# Altium PCB Stratochovy2.PcbDoc (part 2 of 2)
Units mil, origin at the board's own origin, x right, y up, seen from the top; angles counter-clockwise.
Board outline 2610.12 x 7159.65 mil, 4 copper layers (Top Layer, Plane (GND), Plane (3V3), Bottom Layer), stack 53.956 mil thick; 166 components, 126 nets, 742 pads, 170 vias.
Unrouted connection lines stored in the file: 44.
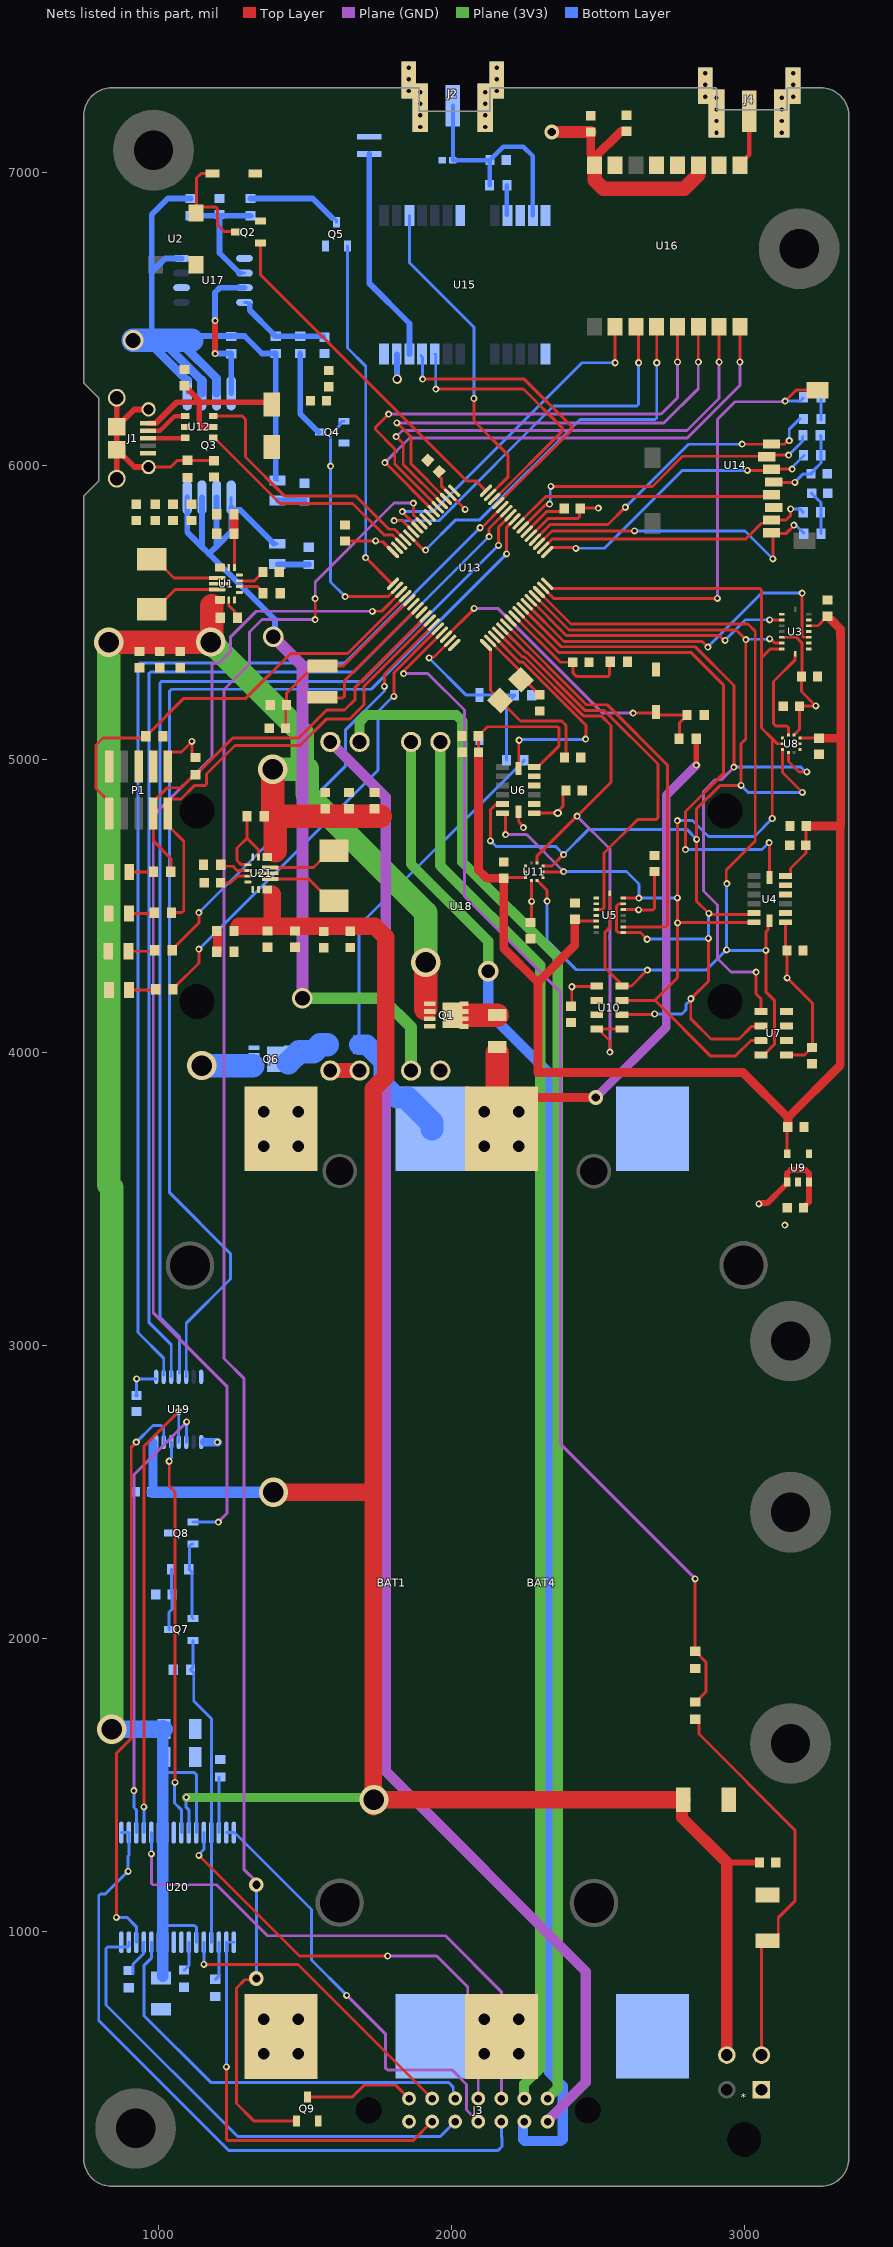
[diagram p4: the nets of this part, all layers, seen from the top]

## Via types
v1: diameter 24, hole 12, Top Layer to Bottom Layer, 124 vias
v2: diameter 27, hole 15, Top Layer to Bottom Layer, 28 vias
v3: diameter 100, hole 70, Top Layer to Bottom Layer, 8 vias
v4: diameter 50, hole 28, Top Layer to Bottom Layer, 4 vias
v5: diameter 70, hole 50, Top Layer to Bottom Layer, 3 vias
v6: diameter 32, hole 20, Top Layer to Bottom Layer, 1 vias
v7: diameter 70, hole 45, Top Layer to Bottom Layer, 1 vias
v8: diameter 28, hole 14, Top Layer to Bottom Layer, 1 vias

## Nets (pads, with @x,y where several pads share a name; then routed paths per layer and width w, separated by ;. In a path a pad name is that pad's centre, name@x,y a point inside that pad or via, vN(x,y) a via of type N, cw(c..) or ccw(c..) an arc to the next point about the centre after c; other vN are vias at no path point)
3V3: B1.1 C4.1 C5.1 C6.1 C7.1 C9.1 C13.1 C14.1 C18.1 C19.1 C21.1 C23.1 C24.1 C25.1 C31.2 C33.2 C36.2 C37.2 C38.1 C39.2 C40.1 C42.1 C43.1 C47.1 D7.2 P1.1 R2.2 R3.2 R14.2 R15.2 R16.1 R17.1 R18.1 R19.1 R20.1 R21.1 U1.7 U1.8 U2.1 U3.11 U4.1 U5.11 U6.1 U7.1 U8.1 U9.1 U9.3 U10.1 U11.1 U13.21 U13.34 U13.48 U13.56 U14.4 U15.23 U16.3 U16.8 U19.1 U19.8 | length 4491.6
  Top Layer w10: P1.1@1035.53,5018 1041.57,5024.04 1078.04,5024.04 v1(1114,5060) 1114,5016.28 1115.28,5015 R14.2@1119,5015 ; C31.2@1636,5743.44 1636.56,5744 v1(1741,5744) 1743.68,5741.32 1764.89,5741.32 U13.48@1799.92,5706.29 ; C36.2@1968,5985 1956.79,5973.79 1956.79,5964.62 1966,5955.41 1966,5930.44 1994.79,5901.65 U13.34@1994.79,5901.16 ; U13.34@2010,5886 2010.44,5886 2023.35,5873.09 2024.91,5873.09 v1(2046,5852) ; C24.1@2270,4443 2272.16,4445.16 U11.1@2272.16,4584.98 ; U13.21@2270.4,5761.96 2329.44,5821 2431,5821 2436.86,5826.86 2436.86,5848.86 C38.1@2442,5854 ; U6.1@2288,4814 2289.51,4815.51 2361.51,4815.51 v8(2362,4816) 2362,4820.87 2379.69,4838.56 2379.69,4881.27 2390.43,4892 C14.1@2393,4892 ; C25.1@2405,4157 2410,4162 v1(2410,4223) 2411.41,4224.41 2491.41,4224.41 U10.1@2494,4227 ; C38.1@2442,5856 v1(2501,5856) ; U5.11@2585.34,4486.37 2585.42,4486.29 2634.71,4486.29 v1@2638,4483 ; v1(2638,4485) 2686.14,4485 2692,4490.86 C18.1@2692,4615 ; v1(3048,3482) 3049.31,3483.31 v1@3050.68,3484.68 ; U14.4@3113,5946 3115,5944 v1(3171,5944) ; U3.11@3126.66,5415.31 3176.69,5415.31 3195,5397 3195,5280 C13.1@3193.44,5278.44 ; U4.1@3139,4443.02 3139,4351.88 C9.1@3143.88,4347 ; U9.1@3140.66,3548.27 3144.6,3552.2 U9.1@3144.6,3556.77 ; U7.1@3142.31,3990.18 3203.64,3990.18 3227,4013.54 C21.1@3227,4016 ; C9.1@3145,4343.88 v1(3145,4253) 3231,4167 C21.1@3231,4013 ; U8.1@3169,5083 3186.56,5100.56 C19.1@3186.56,5180 3187.56,5181 3240,5181 v1@3242,5179 ; C13.1@3193,5278 C13.1@3193.44,5278.44 ; C23.1@3200,3468 C23.1@3200,3469.43 ; v1@3242,5181 3242,5182 3193.44,5230.56 C13.1@3193.44,5278.44
  Top Layer w20: v1@3049.31,3483.31 3049.85,3482.77 3051.76,3484.68 3077.07,3484.68 U9.1@3140.66,3548.27 ; U9.1@3144.6,3556.77 3144.6,3586.28 3156.31,3598 3207.69,3598 3219.4,3586.28 U9.3@3219.4,3556.77 3219.4,3488.83 C23.1@3200,3469.43
  Top Layer w30: C43.1@2475,7139.44 2475,7063.27 2487.27,7051 2576.96,7140.69 2596.25,7140.69 C42.1@2597,7141.44
  Top Layer w40: v4(2342,7139.44) C43.1@2475,7139.44
  Top Layer w50: U16.8@2487.27,7026.18 2487.86,7025.59 2487.86,6975.29 2517.15,6946 2794,6946 2841.01,6993.01 2841.01,7025.59 U16.3@2841.6,7026.18
  Bottom Layer w10: C47.1@921,2828 925,2832 v1(925,2885) U19.1@992,2885 ; C47.1@924,2826 C47.1@928,2830 ; U19.8@1145.77,2669.78 1156,2669.78 ; U15.23@1812.72,6381.78 U15.23@1814,6380.5 ; v1(3171,5944) 3200,5973 C39.2@3226.44,5973 C39.2@3230,5973 ; C39.2@3226,5976 3228.46,5976 3237.19,5984.73 3237.19,5987.19 3260,6010 3260,6102 R16.1@3258,6104 ; C40.1@3228.44,5907 3228.44,5906.02 3252.67,5881.79 3252.93,5881.79 3260,5874.72 R18.1@3260,5843 ; R19.1@3260,6157 R19.1@3260,6160 R21.1@3260,6234 ; R20.1@3260.53,5769 3260.53,5849.53 R18.1@3261,5850
  Bottom Layer w20: v6(1814,6296) U15.23@1814,6380.5
  Bottom Layer w30: 1156,2669.78 1156.78,2669 v1(1201,2669)
  other v1: 2273,4514 3243,5181
5V0: *.4 C46.1 C48.1 C55.1 C56.1 C57.1 C58.1 C60.1 D2.2 Q7.3 R8.2 R30.2 R31.2 R38.2 U19.14 U20.10 U21.7 U21.8 | length 7616.8
  Top Layer w10: R8.2@1256,4403 R8.2@1258.47,4400.53 ; 1730,2498 1733,2495
  Top Layer w20: 2938.89,1235.39 C60.1@3050.44,1235.39
  Top Layer w40: D2.2@2786,1449 2786,1388.28 2938.89,1235.39 *.4@2938.89,578.11
  Top Layer w60: 1276,4429 1738,4429 1775,4392 1775,3916 1733,3874 1733,2495 v3@1733,1425.88 ; 1388,4438 1388,4539 ; v3(1392,2498) 1730,2498 ; v3@1742.65,1456.65 v3(1735,1449) D2.2@2786,1449
  Plane (3V3) w10: v3@1727,1457 v3(1735,1449)
  Plane (3V3) w30: v1(1095,1457) v3@1727,1457
  Bottom Layer w10: C46.1@976.56,2500 C46.1@978.56,2498 ; Q7.3@1036.65,2030 1035.55,2031.09 1035.55,2089.06 1045.56,2099.06 C48.1@1045.56,2149 1044.47,2150.09 R30.2@1044.47,2236 ; v1(1095,1457) 1093.21,1455.21 1093.21,1425 1103.39,1414.83 U20.10@1103.39,1337.01
  Bottom Layer w30: C46.1@981.56,2500 981.56,2669
  Bottom Layer w40: C46.1@978.56,2498 v3(1392,2498)
ACCEL_1_CS: U3.14 U13.12 | length 940.8
  Top Layer w10: U13.12@2270.4,5542.04 2391.44,5421 2913,5421 2926.32,5407.68 2926.53,5407.68 2929,5405.21 v1@2929,5405 ; v1@3083,5475 3083.55,5474.45 3126.58,5474.45 U3.14@3126.66,5474.37
  Bottom Layer w10: v1(2933,5405) 3003,5475 3084,5475 v1@3085,5474
  other v1: 3085,5475
ACCEL_2_CS: U5.14 U13.6 | length 1448.7
  Top Layer w10: U13.6@2186.88,5458.52 2460.4,5185 2531,5185 2737,4979 2737,4433.17 2731.14,4427.31 U5.14@2585.34,4427.31
ADXL_1_CS: U4.7 U13.9 | length 1823.4
  Top Layer w10: U13.9@2228.64,5500.28 2364.92,5364 2816,5364 2927,5253 2927,4950 2798,4821 v1(2798,4691) ; v1(3083,4715) 3084.01,4713.99 3084.01,4605.99 U4.7@3086,4604
  Bottom Layer w10: v1(2798,4691) 3059,4691 v1(3083,4715)
ADXL_2_CS: U6.7 U13.3 | length 809.4
  Top Layer w10: U13.3@2145.12,5416.76 2230.89,5331 2243,5331 2458,5116 2458,5069 v1(2457,5068) ; U6.7@2227.97,4967.41 2228.99,4968.43 2228.99,5059.99 v1@2231,5062
  Bottom Layer w10: v1(2230,5064) 2232,5066 2454,5066 v1@2456,5068
ANT: J4.S1 U16.1 | length 197.1
  Top Layer w10: U16.1@2983.33,7026.18 U16.1@2983.33,7030.12
  Top Layer w15: U16.1@2983.33,7030.12 3015,7061.79 J4.S1@3015,7210.2
ARM1: Q7.2 R32.2 U20.13 U20.20 | length 1062.1
  Bottom Layer w10: Q7.2@1117.35,1992.6 1117.35,1900.83 R32.2@1109.53,1893 1120.28,1882.25 1120.28,1786 1180.16,1726.12 U20.13@1180.16,1337.01 U20.20@1180.16,962.99
ARM_SQUIB: Q8.1 U13.51 | length 3991.4
  Top Layer w10: v1(1730,5504) 1761.89,5504 U13.51@1827.76,5569.88
  Plane (GND) w10: v1(1204,2396.4) 1233,2425.4 1233,2860 982,3111 982,4806 992,4816 992,4817 1182.17,5007.17 1182.17,5327.45 1205.91,5327.45 1246.26,5367.8 1246.26,5417 1333.26,5504 v1(1730,5504)
  Bottom Layer w10: Q8.1@1117.35,2396.4 v1(1204,2396.4)
BAT_SNS_B: D1.2 R5.1 R6.2 U13.62 | length 1114.8
  Top Layer w10: U13.62@1980.88,5416.76 2076.92,5512.81 v1(2076.92,5514.2) ; v1(2619.23,5156.32) 2693.16,5156.32 D1.2@2697,5160.17 2697,5159.1 2705.78,5150.32 R6.2@2802.77,5150.32 2802.77,5148.35 2777.77,5123.35 2777.77,5070.52 R5.1@2775.77,5068.52 ; R6.2@2802.3,5156.32 R6.2@2805.3,5153.32
  Plane (GND) w10: v1(2076.92,5514.2) 2157.65,5514.2 2515.53,5156.32 v1(2619.23,5156.32)
BMP_1_CS: U7.4 U7.5 U8.6 U13.10 | length 2495.3
  Top Layer w10: U13.10@2242.56,5514.2 2373.76,5383 2831,5383 2963,5251 v1(2963,4972) ; v1(3039,4273) 3039,4199 3055,4183 3055,4136 U7.5@3056,4135 ; U7.4@3140.18,4137.82 U7.4@3141,4137 ; U8.6@3149.16,5021.98 3149.16,4991.84 3185,4956 3208,4956 v1@3210,4958
  Plane (GND) w10: v1(2963,4972) 2920.16,4929.16 2899.16,4929.16 2859,4889 2859,4550 2907,4502 2907,4319 2953,4273 v1(3039,4273)
  Bottom Layer w10: v1(2963,4972) 3192.21,4972 3208.21,4956 v1@3211,4956
  other v1: 3212,4956
BMP_2_CS: U10.4 U10.5 U11.6 U13.4 | length 2119.8
  Top Layer w10: U13.4@2159.04,5430.68 2241.73,5348 2249,5348 2451,5146 2512,5146 2544,5114 2544,4921 v1(2428,4805) 2427,4805 2291.84,4669.84 U11.6@2291.84,4645.02 ; U10.4@2494.69,4078.18 U10.4@2504.54,4078.18 ; v1(2540,4000) 2540,4038 2511.35,4066.65 2511.35,4071.37 U10.4@2504.54,4078.18 ; U10.5@2582,4078 2581.82,4078.18 U10.5@2581.31,4078.18 U10.4@2504.54,4078.18
  Plane (GND) w10: v1(2428,4805) 2540,4693 v1@2540,4002
BUZZER: Q2.1 U13.32 | length 1183.3
  Top Layer w10: Q2.1@1347.35,6760.6 1347.35,6652.65 2051,5949 2083,5949 2115,5917 U13.32@2118,5917
CAM: Q9.1 U13.41 | length 6278
  Top Layer w10: v4(1333.88,839) 1329.76,834.88 1293.88,834.88 1266,807 1266,412.65 1325,353.65 Q9.1@1470.28,353.65 ; v1(1534.65,5475.82) v1(1534.65,5547.3) ; v1(1869.52,5873.09) 1869.52,5832.05 1897.36,5804.21 U13.41@1897.36,5803.72
  Plane (GND) w10: v4(1333.88,1159) 1333.88,1169.12 1291,1212 1291,2887 1223,2955 1223,5237 1310,5324 1310,5433 1352.82,5475.82 v1(1534.65,5475.82) ; v1(1534.65,5547.3) 1534.65,5604 1803.75,5873.09 v1(1869.52,5873.09)
  Bottom Layer w10: v4(1333.88,839) v4(1333.88,1159)
COTS_DIS: Q5.1 U13.49 | length 1220.4
  Top Layer w10: v1(1707,5687.09) 1797.56,5596.53 1798.74,5596.53 U13.49@1799.92,5597.71
  Bottom Layer w10: Q5.1@1644.4,6750.65 1644.4,6402.6 1707,6340 v1(1707,5687.09)
COTS_EN: Q4.1 U13.50 | length 831.5
  Top Layer w10: v1(1637,5554) 1784.05,5554 U13.50@1813.84,5583.79
  Bottom Layer w10: Q4.1@1633.35,6152.4 1626.46,6152.4 1619.65,6145.59 1619.65,6138.7 1587,6106.05 v1(1587,5999) 1587,5604 v1(1637,5554)
COTS_SENSE_B: D11.2 R36.1 R37.2 U13.63 | length 672.5
  Top Layer w10: v1(1923,5345) 1925.68,5347.68 1939.63,5347.68 U13.63@1994.79,5402.84
  Bottom Layer w10: v1(1923,5345) 2050.17,5217.83 D11.2@2095,5217.83 R37.2@2214.16,5217.83 2214.16,5215.87 2187.47,5189.18 R36.1@2187.47,4996
DROUGE_+: J3.2 U18.4 | length 4792.9
  Plane (3V3) w10: J3.2@2247.07,431.15 J3.2@2248.48,429.74
  Plane (3V3) w35: U18.4@1961.59,5058.29 1961.59,4636.41 2302,4296 2302,533.34 2247.07,478.41 J3.2@2247.07,431.15
DROUGE_-: J3.13 U18.3 | length 5175.8
  Plane (3V3) w35: U18.3@1861.59,5058.29 1861.59,4641.41 2125,4378 v7(2125,4276)
  Bottom Layer w10: J3.13@2243.66,346.18 J3.13@2248.48,351
  Bottom Layer w35: v7(2125,4276) 2125,4136 2333,3928 2333,518.55 2379,472.55 2379,290.86 ; J3.13@2243.66,346.18 2243.66,290.86 2249.51,285 2373.14,285
GND: *.1 BAT1.CELL1- BAT2.- BAT4.CELL1- C1.2 C2.2 C3.2 C4.2 C5.2 C6.2 C7.2 C8.2 C9.2 C10.2 C11.1 C12.2 C13.2 C14.2 C15.1 C16.2 C17.2 C18.2 C19.2 C20.2 C21.2 C22.2 C23.2 C24.2 C25.2 C26.2 C27.2 C28.1 C29.2 C30.1 C31.1 C32.1 C33.1 C34.1 C35.1 C36.1 C37.1 C38.2 C39.1 C40.2 C41.1 C42.2 C43.2 C44.2 C45.2 C46.2 C47.2 C48.2 C49.2 C50.2 C51.2 C52.2 C53.2 C54.2 C55.2 C56.2 C57.2 C58.2 C59.2 C60.2 D1.1 D2.1 D3.1 D4.1 D5.1 D6.1 D11.1 D12.1 J1.5 J2.G1 J2.G2 J2.G3 J2.G4 J2.G5 J2.G6 J2.G7 J2.G8 J3.8 J4.G1 J4.G2 J4.G3 J4.G4 J4.G5 J4.G6 J4.G7 J4.G8 P1.3 P1.5 P1.9 Q1.4 Q2.2 Q4.2 Q5.2 Q6.4 Q8.3 Q9.2 R4.2 R6.1 R13.2 R26.1 R29.1 R32.1 R33.2 R34.1 R35.2 R37.1 R39.2 R41.1 U1.4 U1.6 U1.10 U1.15 U3.2 U3.4 U3.6 U3.7 U4.2 U4.4 U4.5 U5.2 U5.4 U5.6 U5.7 U6.2 U6.4 U6.5 U7.2 U7.3 U8.3 U8.8 U8.9 U9.2 U9.4 U10.2 U10.3 U11.3 U11.8 U11.9 U12.2 U13.7 U13.22 U13.33 U13.47 U13.54 U14.6 U15.7 U15.10 U15.12 U15.13 U15.24 U16.2 U16.4 U16.5 U16.7 U17.1 U17.6 U18.5 U19.7 U20.8 U20.24 U20.25 U21.4 U21.6 U21.10 U21.15 | length 154.8
  Top Layer w10: U13.22@2256.48,5775.88 2325.6,5845 2377,5845 C38.2@2381,5849
  other v1: 3137,3410
  other v2: 2903.78,7137.36 3126.22,7137.36 1892.78,7156.36 2115.22,7156.36 2903.78,7176.73 3126.22,7176.73 1892.78,7195.73 2115.22,7195.73 2903.78,7216.1 3126.22,7216.1 1892.78,7235.1 2115.22,7235.1 2903.78,7255.47 3126.22,7255.47 2865,7260 3165,7260 1892.78,7274.47 2115.22,7274.47 1854,7279 2154,7279 2865,7300 3165,7300 1854,7319 2154,7319 2865,7340 3165,7340 1854,7359 2154,7359
GPS_RX: U13.29 U15.21 | length 1028.1
  Top Layer w10: v1(1901,6296) 2248,6296 2411.36,6132.64 2411.36,6124.36 U13.29@2157,5870
  Bottom Layer w10: U15.21@1896,6376 1901,6371 v1(1901,6296)
GPS_TX: U13.30 U15.20 | length 945.7
  Top Layer w10: v1(1946,6262) 2245,6262 2378.86,6128.14 2378.86,6119.86 U13.30@2146,5887
  Bottom Layer w10: U15.20@1944,6381 1946,6379 v1(1946,6262)
GYRO_1_CS: U3.5 U13.11 | length 1247.8
  Top Layer w10: U13.11@2256.48,5528.12 2383.6,5401 2854.82,5401 2874,5381.82 v1@2874,5381 ; v1@3195,5566 3195,5421.25 3200.86,5415.39 3217.92,5415.39 U3.5@3218,5415.31
  Bottom Layer w10: v1(2874,5382) 3058,5566 3195,5566 v1@3196,5567
  other v1: 3196,5566
GYRO_2_CS: U5.5 U13.5 | length 1354.6
  Top Layer w10: U13.5@2172.96,5444.6 2254.56,5363 2258,5363 2456,5165 2522,5165 2704,4983 2704,4799.86 2698.14,4794 2635,4794 2520,4679 2520,4492.23 2514.14,4486.37 U5.5@2494,4486.37
LED_1: R9.1 U13.60 | length 1586.6
  Top Layer w10: R9.1@1049.53,4214 1049.53,4215.97 1138,4304.44 1138,4349 v1@1137,4350 ; v1(1803,5214) 1803,5294.56 U13.60@1939.44,5431
  Bottom Layer w10: v1(1138,4351) 1749,4962 1749,5162 1802,5215 v1@1802,5216
LED_2: R10.1 U13.59 | length 1460.4
  Top Layer w10: R10.1@1046.53,4348 1046.53,4349.97 1138,4441.44 v1(1138,4476) ; v1(1771,5248) 1771,5290.4 1924.6,5444 U13.59@1925,5444
  Bottom Layer w10: v1(1138,4476) 1637.41,4975.41 1637.41,5098.41 1771,5232 1771,5238.21 1771.32,5238.53 1771.32,5247.68 v1(1771,5248)
LED_3: P1.2 R11.1 U13.58 | length 1629.1
  Top Layer w10: P1.2@1032,4798 1032,4773.53 1086,4719.53 1086,4481.86 1080.14,4476 R11.1@1044.53,4476 ; P1.2@1032,4813.88 1032,4854.24 1041.57,4863.8 1076.8,4863.8 1122,4909 1158.14,4909 1164,4914.86 1164,4949 1261,5046 1483,5046 1574,5137 1653,5137 1701,5185 1701,5248.24 U13.58@1925.2,5472.44
LED_4: P1.4 R12.1 R14.1 U13.57 | length 1452.1
  Top Layer w10: R12.1@1042,4616 1042,4661 982,4721 P1.4@982,4813.88 982,4854.24 1029.76,4902 1078,4902 1111.72,4935.72 1113.28,4935.72 1123,4945.44 R14.1@1123,4947 ; R14.1@1126,4946.47 1127.97,4946.47 1252.5,5071 1478,5071 1574,5167 1635,5167 1671,5203 1671,5245 U13.57@1894,5468
MAIN_+: J3.1 U18.2 | length 5286.2
  Plane (3V3) w35: U18.2@1686,5058.29 1686,5127 1709,5150 2015.94,5150 2036.44,5129.5 2036.44,4648.56 2362,4323 2362,464.52 J3.1@2327.22,429.74
MAIN_-: J3.14 U18.1 | length 5122.7
  Plane (GND) w10: J3.14@2327.22,351 J3.14@2327.22,354.14
  Plane (GND) w35: U18.1@1586,5058.29 1775,4869.29 1775,1546 2458,863 2458,484.92 J3.14@2327.22,354.14
MISO: U3.10 U3.15 U4.12 U5.10 U5.15 U6.12 U7.6 U8.5 U10.6 U11.5 U13.13 | length 4878.2
  Top Layer w10: v1(2132,4721) 2132,4826 U6.12@2155,4849 ; U13.13@2284.32,5555.96 2400.27,5440 2971,5440 3003.5,5407.5 3003.5,5068.52 2988,5053.02 v1(2988,4910) ; U11.5@2312.02,4634.69 2342.68,4634.69 v1@2381,4673 ; U5.15@2580.99,4407.71 2577.95,4407.71 2577.66,4408 2568.86,4408 2563,4413.86 2563,4498 2570.98,4505.98 2585.26,4505.98 U5.10@2585.34,4506.06 ; U10.6@2581.31,4127.39 2582.61,4128.7 v1@2689.7,4128.7 ; U5.15@2585.34,4407.63 2644.37,4407.63 v1@2666,4386 ; v1@2875,4475.86 2875,4476 2836,4515 v1(2836,4726) 2836,4830 2915,4909 v1@2989,4909 ; v1(2876,4388) 2876,4242 v1(2816,4182) 2816,4114 2885,4045 2981,4045 3024,4088 U7.6@3055,4088 ; v1@2880.86,4470 3024,4470 U4.12@3031,4477 ; v1(3085,5410) 3088.79,5410 3102.79,5396 U3.10@3127,5396 ; U8.5@3128.98,5032.31 3128.98,4954.02 v1(3197,4886)
  Bottom Layer w10: v1@2132,4722 2132,4721.18 2151.18,4702 2354,4702 v1(2382,4674) 2468,4760 2802,4760 v1(2836,4726) ; v1(2667,4385) 2668.5,4386.5 2873.5,4386.5 v1@2875,4388 ; v1(2693,4130) 2786,4130 2799.18,4143.18 2799.18,4161.39 2816,4178.21 v1(2816,4182) ; v1(2876,4388) 2877,4389 2877,4472 v1(2878,4473) ; v1(2988,4910) 3012,4886 v1(3197,4886) ; v1(3004,5407) 3005.5,5408.5 3082.5,5408.5 v1@3084,5410
MOSI: U3.9 U4.13 U5.9 U6.13 U7.7 U8.4 U10.7 U11.4 U13.16 | length 4410.8
  Top Layer w10: U6.13@2175,4817 2177.17,4817 2184,4810.17 v1(2184,4742) ; U11.4@2312.02,4615 2312.1,4615.08 2381.92,4615.08 v1@2383,4614 ; U13.16@2326.08,5597.71 2341.39,5582.4 3051.14,5582.4 3057,5576.55 3057,5106 3094,5069 ; U5.9@2585.34,4525.74 2585.42,4525.66 2637.66,4525.66 v1@2638,4526 ; U10.7@2588,4173 2591.61,4176.61 2693.61,4176.61 ; v1@2770,4442 2770.5,4442.5 2770.5,4525.5 v1(2770,4526) v1(2770,4790) ; U4.13@3031.05,4443.02 3030.05,4442.01 2772.01,4442.01 v1(2771,4441) 2771,4254 2693.61,4176.61 ; U7.7@3054,4040 3021,4040 2966.99,3985.99 2884.22,3985.99 2693.61,4176.61 ; 3058,5346 3087.94,5375.94 U3.9@3126.66,5375.94 ; v1@3094,4800 3094,5069 ; U8.4@3128,5052 3111,5052 3094,5069
  Plane (GND) w10: v1@2185,4742 2256,4742 v1(2382,4616)
  Bottom Layer w10: v1(2382,4616) 2597,4616 2639,4574 2639,4526 v1@2638,4525 ; v1(2639,4525) 2639.5,4525.5 2769.5,4525.5 v1@2770,4525 ; v1(2770,4790) 2822,4790 2876,4736 3033,4736 v1(3094,4797) v1@3094,4798 ; v1@3092,4798.79 v1@3092,4800
Net*_3: *.3 D12.2 R40.2 | length 1344.7
  Top Layer w10: R40.2@2831,1723.47 2832.97,1723.47 2843.72,1712.72 2843.72,1673.05 3171,1345.76 3171,1103 3114.34,1046.34 3114.34,987.85 3094.34,967.85 D12.2@3078,967.85 3077,967.85 3057,947.85 *.3@3057,578.11
NetB1_2: B1.2 C35.2 U13.8 | length 473.3
  Top Layer w10: U13.8@2214.72,5486.36 2371.08,5330 C35.2@2408,5330 ; C35.2@2413.44,5330 2413.44,5294.56 2427,5281 2533.14,5281 2539,5286.86 2539,5326 B1.2@2544,5331
NetBAT1_CELL1+: BAT1.CELL1+ BAT1.CELL2-
NetBAT2_+: BAT2.+ U15.22 | length 738.9
  Bottom Layer w20: BAT2.+@1719,7063.94 1719,6623 1856.02,6485.98 U15.22@1856.02,6381.78
NetBAT4_CELL1+: BAT4.CELL1+ BAT4.CELL2-
NetC8_1: C8.1 U1.3 | length 95
  Top Layer w10: U1.3@1275.79,5607.84 1327.27,5607.84 1357,5637.57 C8.1@1357,5639
NetC30_2: C30.2 J1.SHIELD R13.1 | length 767.4
  Top Layer w10: J1.SHIELD@854,6231 J1.SHIELD@857.7,6227.3 ; J1.SHIELD@857.7,6053.7 J1.SHIELD@857.7,6055.04 J1.SHIELD@858.68,6055.04 ; J1.SHIELD@857.7,6133.78 J1.SHIELD@858.68,6133.78 ; J1.SHIELD@960.83,6192.83 J1.SHIELD@961,6193 ; J1.SHIELD@965.97,5995.98 1041.98,5995.98 1064,6018 1187,6018 C30.2@1190,6015 ; C30.2@1189.98,6019.98 C30.2@1191,6021
  Top Layer w20: J1.SHIELD@857.7,5956.61 J1.SHIELD@857.7,6053.7 ; J1.SHIELD@857.7,6055.04 J1.SHIELD@857.7,6133.78 J1.SHIELD@857.7,6227.3 ; J1.SHIELD@858.68,6055.04 917.74,5995.98 J1.SHIELD@961.02,5995.98 ; J1.SHIELD@858.68,6133.78 917.74,6192.83 J1.SHIELD@960.83,6192.83
NetC32_2: C32.2 U13.1 X1.2 | length 579.8
  Top Layer w10: U13.1@2117.29,5388.92 2132.6,5373.61 2132.6,5233.4 X1.2@2149,5217 ; X1.2@2183.51,5217.51 X1.2@2165.51,5199.51 2235,5130 2375,5130 ; 2376,5130 2375,5130 ; C32.2@2388,5007 2390,5009 2390,5115 2375,5130
NetC34_2: C34.2 U13.2 X1.1 | length 226.6
  Top Layer w10: U13.2@2131.21,5402.84 X1.1@2233.02,5301.02 ; X1.1@2236.49,5270.49 2248.52,5270.49 2296.02,5223 C34.2@2298,5223 ; C34.2@2299,5220.44 C34.2@2300,5219.44
NetC41_2: C41.2 L3.1 R22.2 | length 467
  Bottom Layer w10: C41.2@2129.47,7041.36 C41.2@2131.44,7043.33 C41.2@2131.44,7044.31
  Bottom Layer w15: R22.2@2129.47,6958 C41.2@2129.47,7041.36 ; C41.2@2131.44,7044.31 2176.13,7089 2244.41,7089 2277.28,7056.13 2277.28,6854.22
NetC44_1: C44.1 R24.1 R27.2 U17.4 | length 335.4
  Bottom Layer w10: U17.4@1293.28,6558 1305.05,6558 U17.4@1311.34,6551.71 ; C44.1@1562.06,6442.53 C44.1@1566,6438.59
  Bottom Layer w20: U17.4@1311.34,6551.71 1311.34,6531.19 1392.28,6450.24 1392.28,6448.28 1398.03,6442.53 R27.2@1483.49,6442.53 C44.1@1562.06,6442.53
NetC45_1: C45.1 R25.1 R28.2 U17.2 | length 441.6
  Bottom Layer w10: U17.2@1276.55,6658 U17.2@1293.28,6658
  Bottom Layer w20: R25.1@1110,6853.47 R28.2@1314,6853.47 ; C45.1@1208,6850.44 1208,6726.55 U17.2@1276.55,6658
NetC59_1: C59.1 U21.3 | length 101
  Top Layer w10: C59.1@1214,4578 1215,4577 1246,4577 1269.16,4600.16 U21.3@1304.99,4600.16
NetD3_2: D3.2 R9.2 | length 94.4
  Top Layer w10: D3.2@899.45,4212 991,4212 R9.2@993,4214
NetD4_2: D4.2 R10.2 | length 93
  Top Layer w10: D4.2@897.45,4344 982,4344 R10.2@988,4350
NetD5_2: D5.2 R11.2 | length 86.2
  Top Layer w10: D5.2@899,4473 981,4473 R11.2@984,4476
NetD6_2: D6.2 R12.2 | length 78.6
  Top Layer w10: D6.2@900.45,4615 R12.2@979,4615
NetD7_1: D7.1 Q2.3 U2.2 | length 390.4
  Top Layer w10: U2.2@1128,6863.17 U2.2@1130,6865.17 ; U2.2@1131,6864 1130,6865 U2.2@1130,6865.17 ; D7.1@1184.17,6997 1145,6997 1130,6982 U2.2@1130,6865.17 ; Q2.3@1265,6801 1264.14,6800.14 1223.86,6800.14 1201,6823 1201,6877.14 1195.14,6883 1147.83,6883 U2.2@1130,6865.17
NetD9_2: D9.2 R26.2 | length 91.5
  Bottom Layer w10: D9.2@1406.55,5881.55 D9.2@1406.63,5881.47
  Bottom Layer w20: D9.2@1406.63,5881.47 R26.2@1498,5881.47
NetD10_1: D10.1 Q3.5 Q3.6 Q3.7 Q3.8 U18.6 | length 3196.7
  Plane (GND) w40: v5(1392,5417) 1491,5318 v5(1491,4184)
  Plane (3V3) w40: v5(1491,4184) 1762,4184 1861.59,4084.41 U18.6@1861.59,3937
  Bottom Layer w10: 1144,5728 1148,5732 ; 1198,5730 1200,5728 ; Q3.5@1248,5891.85 1248,5859.8 Q3.5@1257.93,5849.87 ; v5(1392,5417) v5@1397,5422 ; D10.1@1394.17,5734.45 D10.1@1405,5734.45